# KiCad board sample018-programmable-led-panel.kicad_pcb (continued)
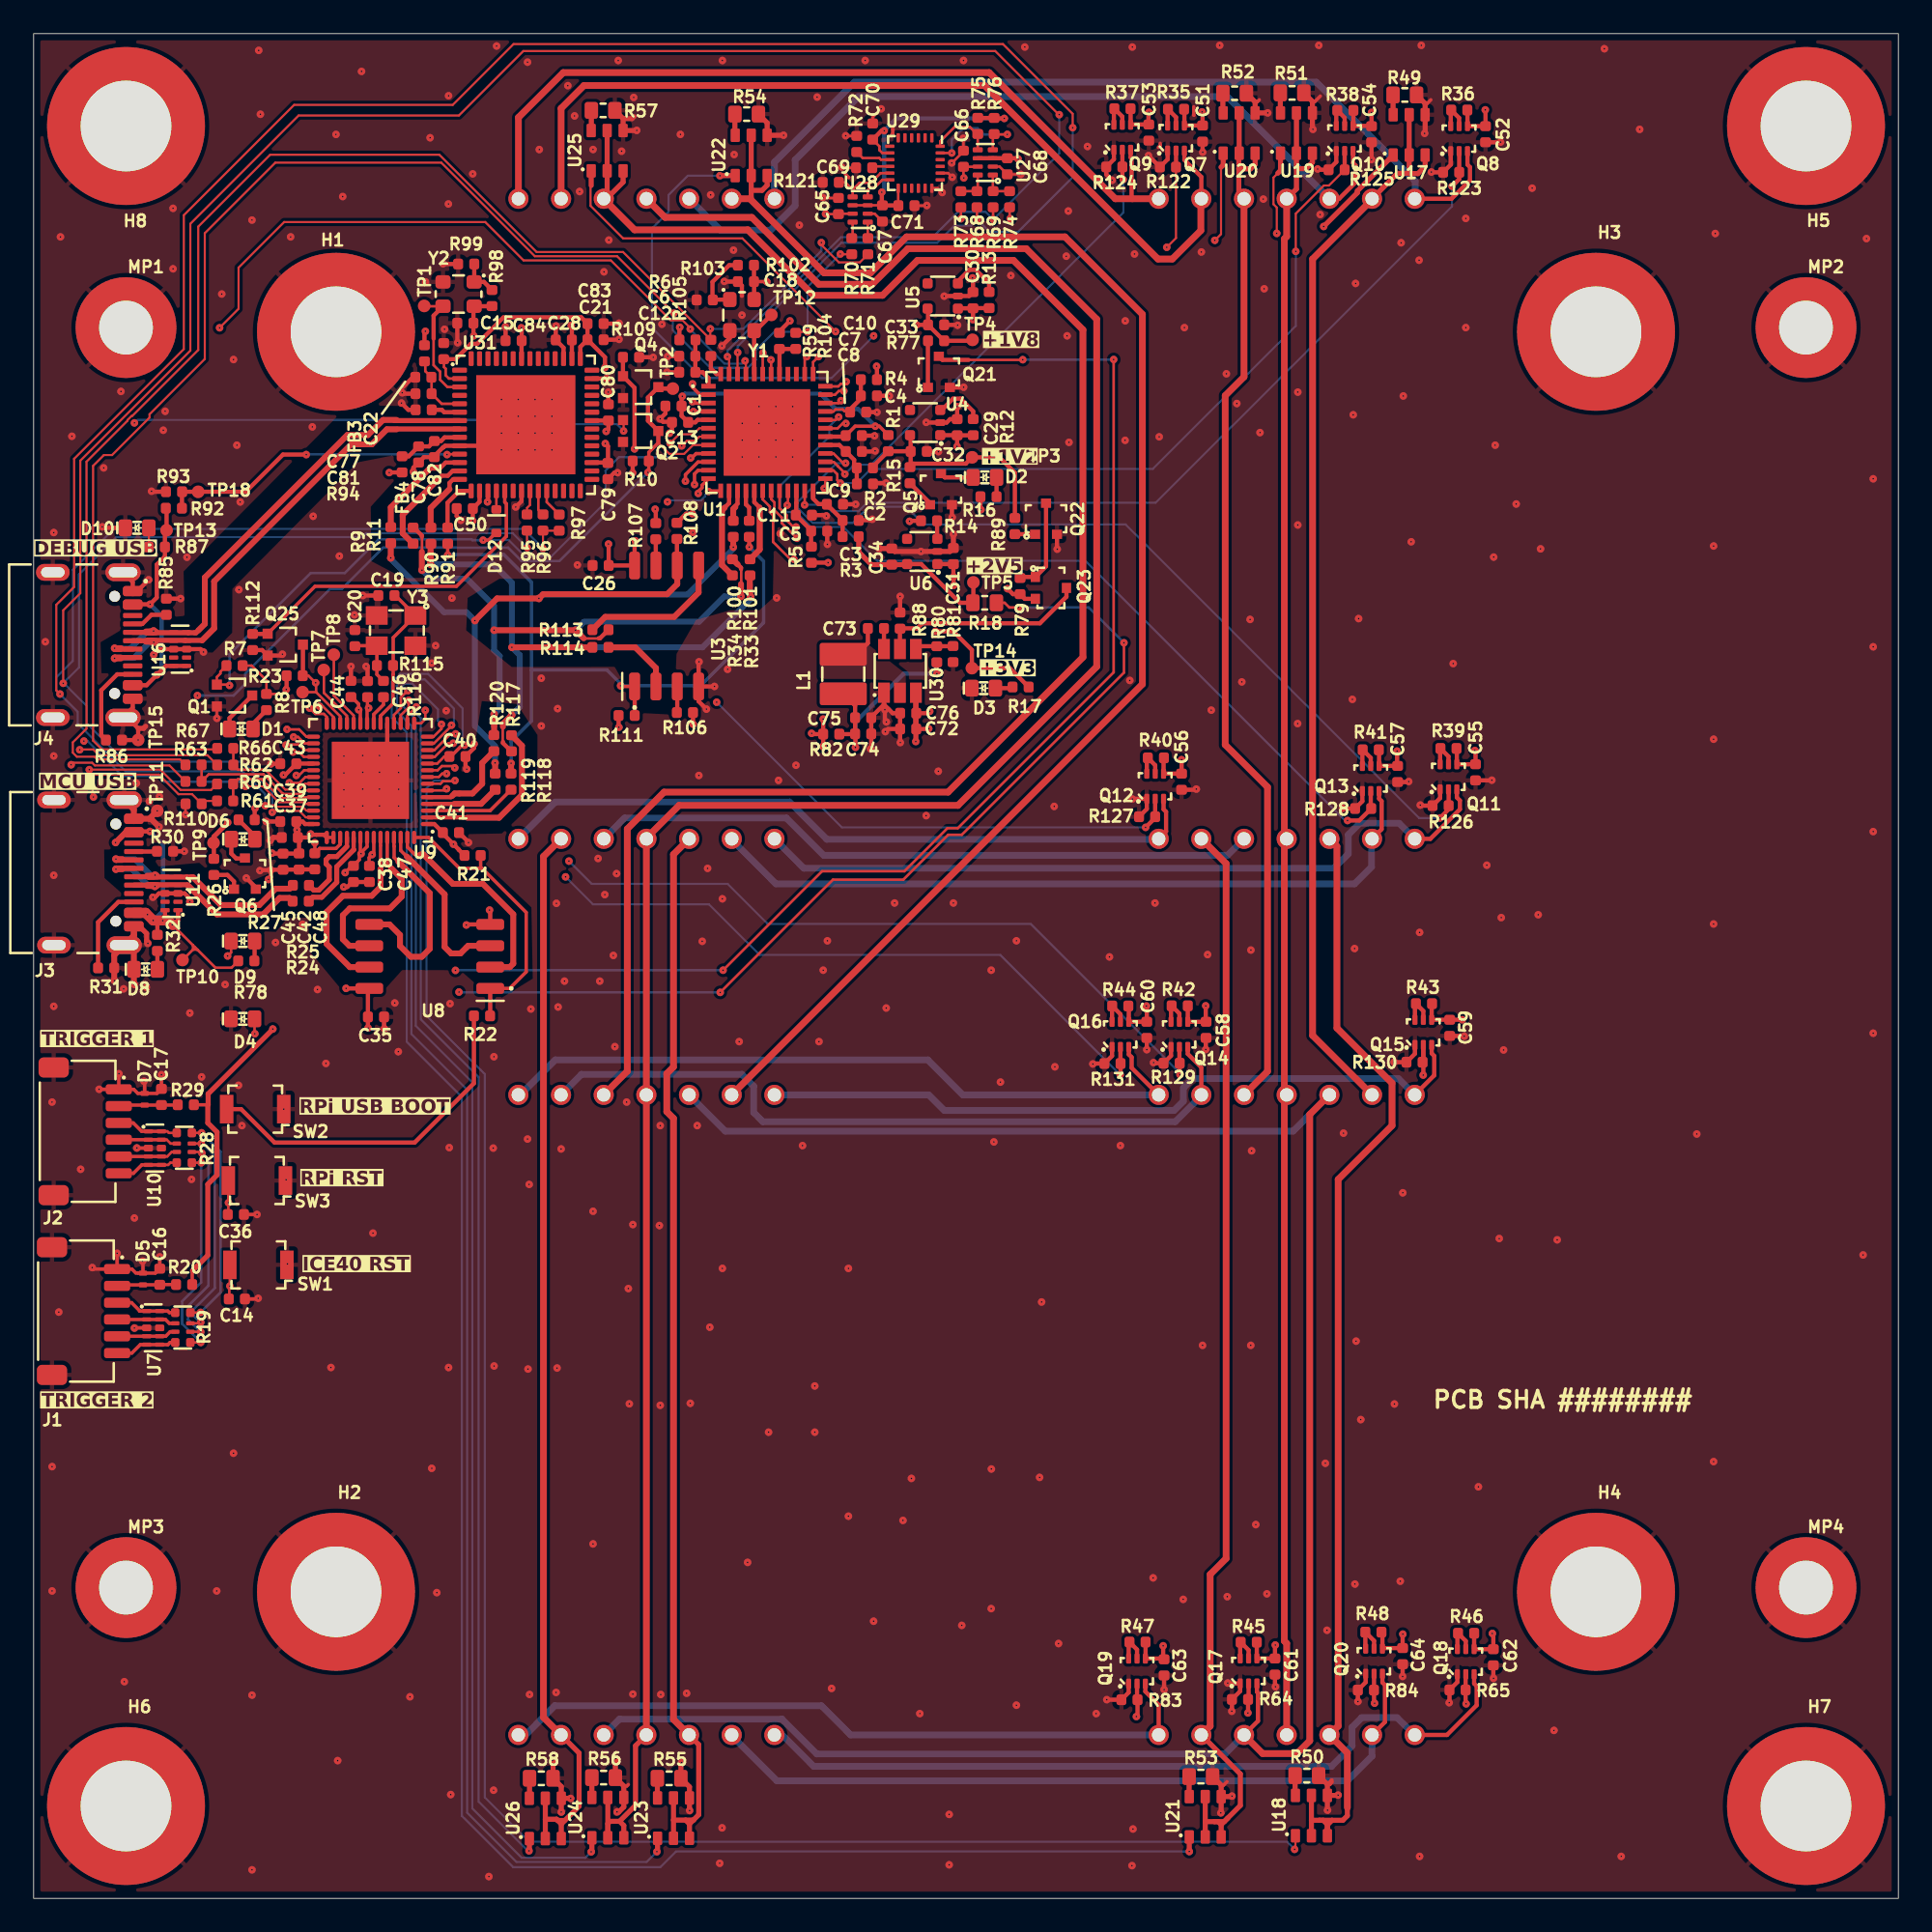
[diagram p0: board, top side]
## Nets
+1V1: C44.2 C47.2 C48.2 R26.2 TP9.1 U9.23 U9.45 U9.50
+1V2: C32.2 R1.1 R2.1 R15.2 R89.2 TP3.1 U4.5
+1V8: C33.2 C67.2 C68.2 C70.2 C71.2 R75.1 R76.1 R77.2 TP4.1 U5.5 U27.3 U27.6 U28.3 U28.6 U29.8 U29.13
+2V5: C34.2 R3.1 R18.2 TP5.1 U6.5
+3V3: C15.2 C18.2 C26.2 C28.1 C35.2 C37.2 C38.2 C39.2 C40.2 C41.2 C42.2 C43.2 C45.2 C46.2 C50.1 C65.2 C66.2 C80.1 C84.1 FB3.1 FB4.1 R4.1 R5.1 R6.1 R7.2 R8.2 R10.2 R14.2 R17.2 R20.2 R21.1 R23.1 R27.2 R29.2 R59.2 R73.1 R74.1 R82.2 R98.2 R102.2 R106.2 R107.2 R108.2 R111.2 TP14.1 U3.8 U8.8 U9.1 U9.10 U9.22 U9.33 U9.42 U9.43 U9.44 U9.48 U9.49 U27.7 U28.7 U31.16 U31.36 U31.44 U31.50 Y1.4 Y2.4
/FPGA/VCC_FPGA: C1.2 C7.2 C13.2 R1.2 U1.5 U1.30
/FPGA/VCC_PLL: C2.2 C8.2 R2.2 U1.29
/FPGA/VCCIO_0: C4.2 C10.2 R4.2 U1.33
/FPGA/VCCIO_1: C5.2 C11.2 R5.2 U1.22
/FPGA/VCCIO_2: C6.2 C12.2 R6.2 U1.1
/Supply/1V2_EN: R12.1 U4.3
/Supply/1V8_EN: R13.1 U5.3
/Supply/2V5_EN: R14.1 U6.3
/Supply/3V3_EN: Q23.3 R88.1 U30.5
/Trigger Connector 1/3V3_TRIG: C16.2 D5.1 J1.2 R20.1
/Trigger Connector 2/3V3_TRIG: C17.2 D7.1 J2.2 R29.1
/USB_FTDI/VBUS_DBG: J4.A4 J4.A9 J4.B4 J4.B9 R87.1 R92.2 TP13.1 U16.1 U16.10
GND: C1.1 C2.1 C3.1 C4.1 C5.1 C6.1 C7.1 C8.1 C9.1 C10.1 C11.1 C12.1 C13.1 C14.1 C15.1 C16.1 C17.1 C18.1 C19.1 C20.1 C21.2 C22.2 C26.1 C28.2 C29.1 C30.1 C31.1 C32.1 C33.1 C34.1 C35.1 C36.2 C37.1 C38.1 C39.1 C40.1 C41.1 C42.1 C43.1 C44.1 C45.1 C46.1 C47.1 C48.1 C50.2 C51.1 C52.1 C53.1 C54.1 C55.1 C56.1 C57.1 C58.1 C59.1 C60.1 C61.1 C62.1 C63.1 C64.1 C65.1 C66.1 C67.1 C68.1 C69.1 C70.1 C71.1 C72.1 C74.1 C75.1 C76.1 C77.2 C78.1 C79.2 C80.2 C81.2 C82.1 C83.2 C84.2 D3.1 D4.1 D5.2 D7.2 D8.1 D10.1 H1.1 H2.1 H3.1 H4.1 H5.1 H6.1 H7.1 H8.1 J1.1 J1.MP J2.1 J2.MP J3.A1 J3.A12 J3.B1 J3.B12 J3.SH J4.A1 J4.A12 J4.B1 J4.B12 J4.SH MP1.1 MP2.1 MP3.1 MP4.1 Q1.2 Q2.2 Q4.2 Q5.2 Q6.2 Q7.1 Q8.1 Q9.1 Q10.1 Q11.1 Q12.1 Q13.1 Q14.1 Q15.1 Q16.1 Q17.1 Q18.1 Q19.1 Q20.1 Q21.2 Q22.2 Q25.2 R30.2 R31.2 R49.1 R50.1 R51.1 R52.1 R53.1 R54.1 R55.1 R56.1 R57.1 R58.1 R64.1 R65.1 R72.2 R81.1 R83.1 R84.1 R85.2 R86.2 R88.2 R93.1 R94.2 R99.1 R103.1 R109.1 R110.1 R112.1 R121.1 R122.1 R123.1 R124.1 R125.1 R126.1 R127.1 R128.1 R129.1 R130.1 R131.1 SW1.1 SW2.1 SW3.1 TP11.1 TP15.1 U1.49 U3.4 U4.2 U5.2 U6.2 U7.3 U7.8 U8.4 U9.19 U9.57 U10.3 U10.8 U11.3 U11.8 U16.3 U16.8 U17.4 U18.4 U19.4 U20.4 U21.4 U22.4 U23.4 U24.4 U25.4 U26.4 U27.2 U28.2 U29.18 U29.20 U30.1 U31.10 U31.21 U31.41 U31.45 U31.57 Y1.2 Y2.2 Y3.2 Y3.4
VBUS: C29.2 C30.2 C31.2 C51.2 C52.2 C53.2 C54.2 C55.2 C56.2 C57.2 C58.2 C59.2 C60.2 C61.2 C62.2 C63.2 C64.2 C72.2 C76.2 J3.A4 J3.A9 J3.B4 J3.B9 Q7.4 Q8.4 Q9.4 Q10.4 Q11.4 Q12.4 Q13.4 Q14.4 Q15.4 Q16.4 Q17.4 Q18.4 Q19.4 Q20.4 Q23.2 R12.2 R13.2 R16.1 R32.1 R35.1 R36.1 R37.1 R38.1 R39.1 R40.1 R41.1 R42.1 R43.1 R44.1 R45.1 R46.1 R47.1 R48.1 R78.1 R79.1 TP10.1 U4.1 U5.1 U6.1 U11.1 U11.10 U30.3
/FPGA/12MHz: TP12.1 U1.44 Y1.3
/FPGA/ColumnCtrl1: U1.6 U9.6 U17.1
/FPGA/ColumnCtrl2: U1.9 U9.7 U18.1
/FPGA/ColumnCtrl3: U1.10 U9.8 U19.1
/FPGA/ColumnCtrl4: U1.11 U9.9 U20.1
/FPGA/ColumnCtrl5: U1.12 U9.11 U21.1
/FPGA/ColumnCtrl6: U1.21 U9.12 U22.1
/FPGA/ColumnCtrl7: U1.13 U9.13 U23.1
/FPGA/ColumnCtrl8: U1.20 U9.14 U24.1
/FPGA/ColumnCtrl9: U1.19 U9.15 U25.1
/FPGA/ColumnCtrl10: U1.18 U9.16 U26.1
/FPGA/FPGA_CDONE: D12.2 Q1.1 R7.1 U1.7
/FPGA/FPGA_SPI.CS: R91.2 R101.1 R111.1 R118.2 U3.1
/FPGA/FPGA_SPI.MISO: R34.1 R90.2 R114.1 R117.2
/FPGA/FPGA_SPI.MOSI: R11.2 R33.1 R113.1 R120.2
/FPGA/FPGA_SPI.SCK: R9.2 R100.1 R108.1 R119.2 U3.6
/FPGA/IMU.FSYNC: R66.1 R70.1 R104.1
/FPGA/IMU.INT: R67.1 R71.1 R105.1
/FPGA/IMU.SCL: R69.1 R95.2 U1.47 U9.41
/FPGA/IMU.SDA: R68.1 R96.2 R97.2 U1.46 U9.40
/FPGA/RowCtrl1: Q7.2 R122.2 U1.25
/FPGA/RowCtrl2: Q8.2 R123.2 U1.23
/FPGA/RowCtrl3: Q9.2 R124.2 U1.27 U9.17
/FPGA/RowCtrl4: Q10.2 R125.2 U1.26 U9.18
/FPGA/RowCtrl5: Q11.2 R126.2 U1.28 U9.27
/FPGA/RowCtrl6: Q12.2 R127.2 U1.31 U9.28
/FPGA/RowCtrl7: Q13.2 R128.2 U1.32 U9.29
/FPGA/RowCtrl8: Q14.2 R129.2 U1.34 U9.30
/FPGA/RowCtrl9: Q15.2 R130.2 U1.37 U9.31
/FPGA/RowCtrl10: Q16.2 R131.2 U1.35 U9.32
/FPGA/RowCtrl11: Q17.2 R64.2 U1.36 U9.34
/FPGA/RowCtrl12: Q18.2 R65.2 U1.43 U9.35
/FPGA/RowCtrl13: Q19.2 R83.2 U1.38
/FPGA/RowCtrl14: Q20.2 R84.2 U1.42
/FPGA/Trig.CAM: R19.8 R28.8 R60.2 U1.45
/FPGA/Trig.EXT1: R19.6 R28.6 R62.2 U1.4
/FPGA/Trig.EXT2: R19.5 R28.5 R63.2 U1.3
/FPGA/Trig.LED: R19.7 R28.7 U1.2 U9.39
/FPGA/VPP_2V5: C3.2 C9.2 R3.2 U1.24
/FPGA/~{FPGA_RESET}: C14.2 Q2.3 Q4.3 R10.1 SW1.2 TP2.1 U1.8
/IMU/ICM_AD0: R72.1 U29.9
/IMU/ICM_FSYNC_1V8: R121.2 U28.5 U29.11
/IMU/ICM_FSYNC_R: R70.2 U28.8
/IMU/ICM_INT1_1V8: U28.4 U29.12
/IMU/ICM_INT1_R: R71.2 U28.1
/IMU/ICM_SCL: R69.2 R74.2 U27.1
/IMU/ICM_SCL_1V8: R76.2 U27.4 U29.23
/IMU/ICM_SDA: R68.2 R73.2 U27.8
/IMU/ICM_SDA_1V8: R75.2 U27.5 U29.24
/IMU/REGOUT: C69.2 U29.10
/LED Matrix/ColumnDrive1: U12.13 U13.13 U17.2 U17.3 U17.5
/LED Matrix/ColumnDrive2: U12.3 U13.3 U18.2 U18.3 U18.5
/LED Matrix/ColumnDrive3: U12.4 U12.11 U13.4 U13.11 U19.2 U19.3 U19.5
/LED Matrix/ColumnDrive4: U12.10 U13.10 U20.2 U20.3 U20.5
/LED Matrix/ColumnDrive5: U12.6 U13.6 U21.2 U21.3 U21.5
/LED Matrix/ColumnDrive6: U14.13 U15.13 U22.2 U22.3 U22.5
/LED Matrix/ColumnDrive7: U14.3 U15.3 U23.2 U23.3 U23.5
/LED Matrix/ColumnDrive8: U14.4 U14.11 U15.4 U15.11 U24.2 U24.3 U24.5
/LED Matrix/ColumnDrive9: U14.10 U15.10 U25.2 U25.3 U25.5
/LED Matrix/ColumnDrive10: U14.6 U15.6 U26.2 U26.3 U26.5
/LED Matrix/RowDrive1: Q7.3 U12.9 U14.9
/LED Matrix/RowDrive2: Q8.3 U12.14 U14.14
/LED Matrix/RowDrive3: Q9.3 U12.8 U14.8
/LED Matrix/RowDrive4: Q10.3 U12.5 U12.12 U14.5 U14.12
/LED Matrix/RowDrive5: Q11.3 U12.1 U14.1
/LED Matrix/RowDrive6: Q12.3 U12.7 U14.7
/LED Matrix/RowDrive7: Q13.3 U12.2 U14.2
/LED Matrix/RowDrive8: Q14.3 U13.9 U15.9
/LED Matrix/RowDrive9: Q15.3 U13.14 U15.14
/LED Matrix/RowDrive10: Q16.3 U13.8 U15.8
/LED Matrix/RowDrive11: Q17.3 U13.5 U13.12 U15.5 U15.12
/LED Matrix/RowDrive12: Q18.3 U13.1 U15.1
/LED Matrix/RowDrive13: Q19.3 U13.7 U15.7
/LED Matrix/RowDrive14: Q20.3 U13.2 U15.2
/MCU/BOOTSEL: R22.1 SW2.2
/MCU/GPIO24: R62.1 R66.2 U9.36
/MCU/GPIO25: R63.1 R67.2 U9.37
/MCU/GPIO26: R60.1 R61.2 U9.38
/MCU/MCU_RST: C36.1 Q25.3 R23.2 SW3.2 TP6.1 U9.26
/MCU/QSPI_CSn: R21.2 R22.2 U8.1 U9.56
/MCU/QSPI_SCLK: U8.6 U9.52
/MCU/QSPI_SD0: U8.5 U9.53
/MCU/QSPI_SD1: U8.2 U9.55
/MCU/QSPI_SD2: U8.3 U9.54
/MCU/QSPI_SD3: U8.7 U9.51
/MCU/SWCLK: TP8.1 U9.24
/MCU/SWDIO: TP7.1 U9.25
/MCU/USB.D+: J3.A6 J3.B6 R24.1 U11.4 U11.7
/MCU/USB.D-: J3.A7 J3.B7 R25.1 U11.5 U11.6
/MCU/USB_D+: R24.2 U9.47
/MCU/USB_D-: R25.2 U9.46
/MCU/XIN: C19.2 R115.1 U9.20 Y3.1
/MCU/XOUT: R116.2 U9.21
/MCU/XOUT_R: C20.2 R115.2 R116.1 Y3.3
/Supply/FB_3V3: R80.1 R81.2 U30.4
/Supply/OUT_3V3: C74.2 C75.2 L1.2 R80.2 R82.1
/Supply/SW_3V3: C73.2 L1.1 U30.2
/Trigger Connector 1/CAM_TRIG: J1.3 R19.1 U7.1 U7.10
/Trigger Connector 1/EXT_TRIG1: J1.5 R19.3 U7.4 U7.7
/Trigger Connector 1/EXT_TRIG2: J1.6 R19.4 U7.5 U7.6
/Trigger Connector 1/LED_TRIG: J1.4 R19.2 U7.2 U7.9
/Trigger Connector 2/CAM_TRIG: J2.3 R28.1 U10.1 U10.10
/Trigger Connector 2/EXT_TRIG1: J2.5 R28.3 U10.4 U10.7
/Trigger Connector 2/EXT_TRIG2: J2.6 R28.4 U10.5 U10.6
/Trigger Connector 2/LED_TRIG: J2.4 R28.2 U10.2 U10.9
/USB/CC_{1}: J3.A5 R30.1
/USB/CC_{2}: J3.B5 R31.1
/USB_FTDI/ADBUS0: R9.1 U31.12
/USB_FTDI/ADBUS1: R11.1 U31.13
/USB_FTDI/ADBUS2: R90.1 U31.14
/USB_FTDI/ADBUS3: R91.1 U31.15
/USB_FTDI/ADBUS4: Q4.1 R109.2 U31.17
/USB_FTDI/ADBUS5: D12.1 U31.18
/USB_FTDI/ADBUS6: Q25.1 R112.2 U31.19
/USB_FTDI/BDBUS0: R95.1 U31.22
/USB_FTDI/BDBUS1: R96.1 U31.23
/USB_FTDI/BDBUS2: R97.1 U31.24
/USB_FTDI/CC_{1}: J4.A5 R85.1
/USB_FTDI/CC_{2}: J4.B5 R86.1
/USB_FTDI/FTDI_D_N: J4.A7 J4.B7 U16.5 U16.6 U31.7
/USB_FTDI/FTDI_D_P: J4.A6 J4.B6 U16.4 U16.7 U31.8
/USB_FTDI/OSCI: TP1.1 U31.3 Y2.3
/USB_FTDI/VPHY: C77.1 C81.1 FB3.2 U31.5
/USB_FTDI/VPLL: C78.2 C82.2 FB4.2 U31.9
/USB_FTDI/VREGOUT: C21.1 C22.1 C79.1 C83.1 U31.2 U31.31 U31.43
/USB_FTDI/~{FT_RST}: R92.1 R93.2 TP18.1 U31.11
Net-(D1-A): D1.2 R8.1
Net-(D1-C): D1.1 Q1.3
Net-(D2-A): D2.2 R16.2
Net-(D2-C): D2.1 Q5.3
Net-(D3-A): D3.2 R17.1
Net-(D4-A): D4.2 R18.1
Net-(D6-A): D6.2 R27.1
Net-(D6-C): D6.1 Q6.3
Net-(D8-A): D8.2 R32.2
Net-(D9-A): D9.2 R78.2
Net-(D9-C): D9.1 Q21.3
Net-(D10-A): D10.2 R87.2
Net-(Q2-G): Q2.1 R61.1 R110.2
Net-(Q5-B): Q5.1 R15.1
Net-(Q6-B): Q6.1 R26.1
Net-(Q7-D1): Q7.5 Q7.6 R35.2
Net-(Q8-D1): Q8.5 Q8.6 R36.2
Net-(Q9-D1): Q9.5 Q9.6 R37.2
Net-(Q10-D1): Q10.5 Q10.6 R38.2
Net-(Q11-D1): Q11.5 Q11.6 R39.2
Net-(Q12-D1): Q12.5 Q12.6 R40.2
Net-(Q13-D1): Q13.5 Q13.6 R41.2
Net-(Q14-D1): Q14.5 Q14.6 R42.2
Net-(Q15-D1): Q15.5 Q15.6 R43.2
Net-(Q16-D1): Q16.5 Q16.6 R44.2
Net-(Q17-D1): Q17.5 Q17.6 R45.2
Net-(Q18-D1): Q18.5 Q18.6 R46.2
Net-(Q19-D1): Q19.5 Q19.6 R47.2
Net-(Q20-D1): Q20.5 Q20.6 R48.2
Net-(Q21-B): Q21.1 R77.1
Net-(Q22-B): Q22.1 R89.1
Net-(Q22-C): Q22.3 Q23.1 R79.2
Net-(U1-IOB_4A): R105.2 U1.48
Net-(U1-IOB_32A_SPI_SO): R33.2 U1.14
Net-(U1-IOB_33B_SPI_SI): R34.2 U1.17
Net-(U1-IOB_34A_SPI_SCK): R100.2 U1.15
Net-(U1-IOB_35B_SPI_SS): R101.2 U1.16
Net-(U1-RGB2): R59.1 R104.2 U1.41
Net-(U3-SI/IO0): R113.2 U3.5
Net-(U3-SO/IO1): R114.2 U3.2
Net-(U3-~{HOLD}/IO3): R107.1 U3.7
Net-(U3-~{WP}/IO2): R106.1 U3.3
Net-(U9-GPIO0): R117.1 U9.2
Net-(U9-GPIO1): R118.1 U9.3
Net-(U9-GPIO2): R119.1 U9.4
Net-(U9-GPIO3): R120.1 U9.5
Net-(U17-R_{EXT}): R49.2 U17.6
Net-(U18-R_{EXT}): R50.2 U18.6
Net-(U19-R_{EXT}): R51.2 U19.6
Net-(U20-R_{EXT}): R52.2 U20.6
Net-(U21-R_{EXT}): R53.2 U21.6
Net-(U22-R_{EXT}): R54.2 U22.6
Net-(U23-R_{EXT}): R55.2 U23.6
Net-(U24-R_{EXT}): R56.2 U24.6
Net-(U25-R_{EXT}): R57.2 U25.6
Net-(U26-R_{EXT}): R58.2 U26.6
Net-(U30-BST): C73.1 U30.6
Net-(U31-REF): R94.1 U31.6
Net-(Y1-EN): R102.1 R103.2 Y1.1
Net-(Y2-EN): R98.1 R99.2 Y2.1

Pads without a net: J3 A8 B8; J4 A8 B8; U1 39 40; U4 4; U5 4; U6 4; U11 2 9; U16 2 9; U29 1 2 3 4 5 6 7 14 15 16 17 19 21 22; U31 1 4 20 25 26 27 28 29 30 32 33 34 35 37 38 39 40 42 46 47 48 49 51 52 53 54 55 56

## Via types
v1: diameter 0.45, hole 0.1, Top to Bottom, 741 vias

## Routing (per net, layer and track width the routed paths; a pad name or vN(x,y) marks a point on that pad's centre or on a via; arc(x,y) is an arc through that point)
+1V1: length 10.4
  Top w0.2: 19.97,61.48 19.97,61.95 v1(20.15,62.13) 20.25,62.23 U9.50 ; v1(16.74,62.84) C48.2 17.03,62.5 18,62.5 18.25,62.74 U9.45 ; U9.23 19.45,70.65 v1(19.35,70.75) 19.35,71.09 18.93,71.51
  Top w0.25: R26.2 10.73,63.22 v1(11.56,64.05) 11.56,64 10.71,63.15 TP9.1
+1V2: length 14
  Top w0.25: 52.21,85.24 C32.2 52.21,87.06 ; 52.19,86.14 R1.1 49.96,85.23 ; R89.2 58.41,84.86 57.49,85.78 TP3.1 55.49,85.4 52.37,85.4 R15.2
+1V8: length 26.6
  Top w0.15: 50.97,103.9 50.51,103.9 50.34,104.06 50.34,104.29 C70.2 ; U29.13 51.47,100.77 ; U28.6 U28.3 50.52,100.78
  Top w0.25: v1(52.56,93.66) 52.56,93.66 C33.2 ; U27.6 U27.3 C68.2 58.56,103.58 v1(58.6,103.54) ; 50.53,100.78 51.46,100.78 ; R76.1 56.21,105.98 ; v1(50.63,105.22) 50.47,105.22 C70.2 ; C33.2 53.24,94.61 ; C33.2 54.19,92.72 ; v1(57.78,105.95) 57.2,105.95 ; v1(50.49,101.56) 50.49,100.81 ; 55.83,92.72 R77.2
  In2.Cu w0.25: 58.62,103.56 v1(58.6,103.54)
  Bottom w0.25: v1(50.49,101.56) 50.63,101.7 v1(50.63,105.22) 51.36,105.95 v1(57.78,105.95)
+2V5: length 10.2
  Top w0.25: TP5.1 55.94,77.15 ; U6.5 52.83,79.42 55.14,77.12 R18.2
  Top w0.3: 49.12,81.09 49.12,80.15 49.87,79.39 C34.2 51.96,79.39
+3V3: length 88.8
  Top w0.15: C40.2 24.45,67.97 24.03,67.55 U9.10 ; v1(58.13,99.99) 58.09,100.03 R74.1 ; 56.19,103.07 C66.2 55.35,102.43 v1(55.37,102.41) ; v1(15.04,71.96) 14.77,71.69 R8.2 13.86,72.5 12.98,73.38 R7.2 ; 55.2,100.66 v1(55.2,99.98) ; C65.2 47.16,100.25 v1(47.14,100.27) ; U28.7 47.93,100.28
  Top w0.2: 24.83,67.97 25.5,68.64 v1(25.65,68.64) ; U9.44 U9.43 ; 19.45,62.21 19.39,62.15 19.39,61.83 19.02,61.46 ; 19.45,62.21 19.85,62.61 U9.49 ; 19.45,62.21 U9.48 ; C18.2 43.63,96.24 v1(43.65,96.22) ; R29.2 10.38,47.24 10.39,47.25 ; v1(18.54,61.06) 18.94,61.46 ; 19.87,71.49 19.87,70.93 v1(19.94,70.86) 19.85,70.77 U9.22 ; 9.46,37.37 9.44,37.35 R20.2
  Top w0.25: v1(26.2,93.01) 26.18,93.03 C15.2 26.18,94.73 ; v1(26.14,82) 26.14,82 C50.1 26.54,83.13 U31.16 ; v1(34.84,69.71) 34.82,69.73 34.82,70.57 ; Y1.4 42.89,96.23 ; R10.2 v1(35.66,84.85) ; v1(38.46,93.52) 38.44,93.5 R6.1 ; U9.33 15.65,67.55 ; U9.1 23.85,63.95 C41.2 ; C18.2 R102.2 ; v1(39.21,82.42) 38.84,82.42 R108.2 ; 24.36,63.38 25.31,62.43 25.31,62.42 R21.1 ; U9.43 17.28,63.31 16.51,63.31 16.34,63.15 C37.2 15.73,63.56 15.64,63.65 C39.2 16.01,64.1 16.16,63.95 U9.42 ; C84.1 29.05,93.47 v1(29.03,93.49) ; v1(46.31,69.35) 46.36,69.3 R82.2 ; 19.39,62.15 19.43,62.18 v1(19.49,62.18) ; 44.4,93.28 v1(45.02,93.9) ; v1(46.98,68.57) 47,68.59 R82.2 ; v1(15.04,71.96) 15.06,71.98 R23.1 ; v1(13.18,64.89) 13.16,64.87 R27.2 ; 32.04,91.66 C28.1 32.04,93.59 v1(32,93.63) ; R17.2 58.11,73.23 TP14.1 55.85,74.31 54.74,75.42 v1(53.68,75.42) ; v1(34.22,80.62) 34.23,80.61 C26.2 U3.8 35.78,80.76 v1(35.82,80.81) ; C42.2 15.8,63.08 ; U31.50 29.04,92.71 ; R4.1 50.2,91.18 v1(50.18,91.2) ; FB3.1 23.26,93.22 v1(23.32,93.28) ; R106.2 39.25,69.9 v1(39.26,69.89) ; U31.36 34.21,87.97 ; C80.1 34.22,87.46 v1(34.08,87.32) ; U8.8 18.6,54.16 v1(18.6,54.17) ; R82.2 v1(47,70.2) ; R14.2 52.17,82 v1(52.14,81.97) ; v1(37,82.69) 37.03,82.66 R107.2 ; v1(21.17,84.87) 21.18,84.88 FB4.1 ; C43.2 14.97,66.87 v1(14.87,66.87) ; v1(19.91,51.81) 19.9,51.82 C35.2 19.9,54.09 ; Y2.4 27.12,94.77 ; v1(47.29,79.51) 46.31,79.51 ; v1(14.19,62.22) 14.22,62.19 C45.2 15.79,62.19
  Top w0.3: v1(14.24,51.75) 14.24,51.74 10.39,47.89 10.39,47.25 10.37,47.23 10.37,46.16 10.92,45.61 10.92,43.06 10.37,42.51 10.37,38.28 9.46,37.37
  vias: v1(15.68,63.6) v1(16.49,63.36) v1(24.99,62.75)
/FPGA/VCC_FPGA: length 19.5
  Top w0.2: C7.2 48.9,87.63 v1(50.1,87.63) 50.34,87.63 R1.2
  Top w0.25: U1.30 48.28,87.01 ; v1(38.61,89.41) 38.57,89.37 C1.2 38.57,88.25 C13.2 39.38,87.86 39.53,88.01 U1.5
  Bottom w0.25: v1(50.1,87.63) 49.08,88.65 47.75,88.65 46.83,89.57 38.77,89.57 v1(38.61,89.41)
/FPGA/VCC_PLL: length 3.3
  Top w0.25: U1.29 47.96,86.51 C8.2 48.84,85.63 48.84,85.31 ; R2.2 49,84.21
/FPGA/VCCIO_0: length 3.4
  Top w0.15: 48.54,88.53 48.26,88.53 48.16,88.63 47.73,88.63 47.61,88.5 47.12,88.5
  Top w0.25: 49.24,89.27 48.6,88.63 ; C4.2 R4.2
/FPGA/VCCIO_1: length 3.7
  Top w0.25: 45.39,82.36 45.39,83.05 45.4,83.06 45.4,83.78 ; 46.28,80.44 C5.2 ; 46.28,81.43 C11.2
/FPGA/VCCIO_2: length 3.3
  Top w0.25: 39.39,92.76 C6.2 C12.2 39.83,90.84 40.18,90.5 U1.1
/Supply/1V2_EN: length 2.9
  Top w0.25: R12.1 55.93,88.51 55.17,89.27 54.73,89.27 54.06,88.6
/Supply/1V8_EN: length 3
  Top w0.25: R13.1 56.88,96.15 56.09,96.94 55.69,96.94 55.02,96.26
/Supply/2V5_EN: length 1.1
  Top w0.25: R14.1 53.78,80.94
/Supply/3V3_EN: length 12.4
  Top w0.25: Q23.3 61.48,77.48 59.9,75.9 52.9,75.9 52.6,75.6 51.59,75.6 R88.1 ; U30.5 51.57,75.57
/Trigger Connector 1/3V3_TRIG: length 3.4
  Top w0.2: C16.2 6.52,36.53 ; D5.1 5.03,36.52 ; R20.1 7.53,36.54
/Trigger Connector 2/3V3_TRIG: length 3.4
  Top w0.2: 7.6,47.22 D7.1 5.13,47.22 ; 7.61,47.22 8.56,47.22
/USB_FTDI/VBUS_DBG: length 15.2
  Top w0.25: TP13.1 7.91,82.71 ; J4.A9 6.72,72.21 7.87,73.36 U16.10 U16.1 ; 5.92,77.03 v1(6.93,77.03) 7.33,77.43 7.33,79.39 7.82,79.88 R87.1 7.82,81.34
  Bottom w0.25: v1(7.34,72.83) 7.62,73.12 7.62,76.34 v1(6.93,77.03)
GND: length 213.7
  Top w0.125: v1(9.04,64.51) 9.04,65.34
  Top w0.15: C67.1 50.06,100.28 U28.2 ; v1(55.34,104.77) 55.35,104.76 C66.1 ; U29.20 54.44,102.69 v1(54.68,102.45) ; v1(48.34,104.92) 48.35,104.91 R72.2 ; U29.18 53.82,101.79 v1(54.08,101.54) ; C70.1 49.94,106.01 v1(50.45,106.52) ; v1(54.65,103.3) 54.66,103.3 55.35,103.99 ; C65.1 47,101.22 v1(46.98,101.24) ; v1(10.91,70.24) 10.91,70.24 10.91,70.95 ; C71.1 53.16,100.76 v1(53.17,100.77) ; U27.2 57.5,103.08 C68.1 58.76,102.62 v1(58.76,102.62) ; C69.1 48.15,103.01 v1(48.1,103.06)
  Top w0.2: 69.07,106.14 69.06,106.15 69.06,106.64 ; 70.69,6.74 70.83,6.74 71.04,6.95 ; 82.83,106.84 82.95,106.84 83.17,107.06 ; 6.61,47.92 6.2,47.92 5.96,48.16 J2.1 ; 6.61,47.92 6.61,48.6 v1(6.57,48.64) ; 6.61,47.92 7.34,47.92 C17.1 v1(7.61,49.03) ; 67.06,104.47 67.06,104.34 66.95,104.23 ; 51.16,105.31 51.14,105.29 51.14,105.03 51.02,104.91 ; 72.96,107.06 72.83,106.93 72.71,106.93 ; 77.3,6.92 77.17,6.79 77.01,6.79 77.26,7.04 77.29,7.04 ; v1(5.08,49.09) 5.07,49.08 J2.1 ; 76.59,107.28 76.27,106.96 76.12,106.96 ; D5.2 7.24,37.22 C16.1 v1(7.51,38.19) ; D5.2 6.51,37.91 v1(6.49,37.93) ; D5.2 6.21,37.22 6.2,37.23 6.08,37.23 5.85,37.46 J1.1 ; v1(6.15,44.67) 6.16,44.66 U10.3 ; U7.3 6.01,33.96 v1(6,33.95) ; C14.1 13.33,35.68 v1(13.37,35.72) ; 48.52,102.44 48.51,102.44 48.31,102.64 ; C36.2 v1(13.3,40.71) ; J2.1 v1(3.9,48.16) ; J1.1 v1(4.97,38.4) ; J1.1 3.58,37.46 v1(3.49,37.55) ; 35.4,6.78 35.31,6.69 35.13,6.69
  Top w0.25: Q14.1 67.7,50.16 R129.1 66.69,49.72 v1(66.66,49.75) ; Q20.1 79.29,12.87 78.82,12.4 78.82,11.72 v1(78.83,11.72) ; Q8.1 84.35,103.2 R123.1 83.22,102.75 v1(83.2,102.76) ; v1(50.06,87.06) 50.04,87.07 C7.1 ; Q18.1 84.75,12.88 R65.1 84.28,11.67 v1(84.26,11.65) ; R93.1 7.05,83.73 v1(7.02,83.76) ; v1(14.13,67.53) 14.14,67.54 C43.1 ; v1(50.2,88.46) 50.19,88.47 C10.1 ; v1(25.43,82.03) 25.18,82.28 C50.2 ; v1(86.9,13.1) 86.89,13.11 86.89,13.87 ; R112.1 13.6,74.31 Q25.2 14.73,73.98 v1(14.81,74.06) ; C72.1 50.86,69.61 v1(50.7,69.45) ; C72.1 51.58,68.81 v1(51.59,68.8) ; C72.1 C76.1 51.14,70.55 50.62,71.07 ; v1(25.24,92.6) 25.22,92.62 C15.1 ; C21.2 34.83,92.78 v1(34.85,92.8) ; C13.1 38,87.36 v1(37.85,87.21) ; v1(28.08,93.55) 28.09,93.54 C84.2 ; D10.1 4.15,81.58 v1(4.09,81.64) ; v1(28.7,82.82) 29.04,83.16 U31.21 ; C5.1 47.24,80.61 v1(47.25,80.6) ; v1(36.88,91.73) 36.87,91.74 R109.1 ; v1(31.1,93.6) 31.08,93.58 C28.2 31.54,92.3 U31.45 ; v1(54.97,88.8) C29.1 54.55,88.05 54.35,87.85 U4.2 53.14,87.85 v1(53.13,87.86) ; C12.1 37.71,90.84 v1(37.7,90.85) ; C11.1 47.14,82.34 v1(47.19,82.29) ; C82.1 23.24,85.79 C78.1 22.6,85.16 v1(22.6,84.92) ; C41.1 25.89,62.87 v1(25.89,62.85) ; C59.1 85.14,51.34 v1(85.16,51.32) ; v1(24.37,97.3) 24.38,97.28 R99.1 ; Q22.2 60.91,80.32 v1(60.93,80.31) ; v1(66.26,50.52) 66.26,50.52 C60.1 ; 69.77,51.2 v1(69.77,50.53) ; C55.1 86.79,66.55 v1(86.8,66.56) ; v1(87.32,104.54) 87.31,104.53 C52.1 ; 23.85,85.86 24.37,86.38 24.41,86.38 24.5,86.47 U31.10 28.05,86.47 ; 64.3,104.08 64.3,103.52 R124.1 63.85,102.62 v1(64.2,102.27) ; C47.1 C38.1 ; J4.A12 5.9,70.87 J4.SH ; U3.4 40.53,72.14 v1(40.53,72.14) ; U3.4 39.58,71.26 v1(40.05,70.79) ; U3.4 39.58,73.58 v1(39.61,73.61) ; 19.14,76.36 v1(19.1,76.4) ; C42.1 14.86,61.24 ; Q16.1 64.19,50.15 R131.1 63.07,49.69 v1(63.05,49.67) ; R86.2 6.22,68.95 ; Q11.1 83.72,65.5 R126.1 82.57,65.04 v1(82.54,65.08) ; C48.1 15.81,61.25 ; v1(50.76,70.03) 50.67,70.12 v1(50.67,70.76) 50.62,70.81 U30.1 50.62,71.07 ; R127.1 66.26,64.85 Q12.1 65.41,65.45 v1(65.4,65.44) ; R30.2 8.97,62.33 v1(8.97,62.33) ; 79.09,65.91 79.09,65.31 R128.1 77.93,64.88 v1(77.91,64.89) ; C61.1 73.89,12.63 v1(73.92,12.6) ; v1(53.86,86.11) 53.84,86.13 C32.1 ; v1(41.11,96.25) 41.12,96.24 C18.1 42.16,96 42.16,95.39 ; v1(25.78,67.22) 25.71,67.29 C40.1 26.22,68.48 v1(26.22,68.72) ; U31.41 34.12,90.47 v1(34.12,90.46) ; Q19.1 65.18,12.26 R83.1 63.88,11.82 v1(63.88,11.83) ; C63.1 v1(67.29,12.43) ; 13.23,60.17 v1(12.66,60.74) ; C35.1 20.86,51.79 v1(20.88,51.77) ; C6.1 37.76,91.8 v1(37.74,91.78) ; v1(10.11,74.19) 9.94,74.36 U16.3 U16.8 7.48,74.36 v1(7.15,74.03) ; v1(34.76,84.86) 34.56,84.86 C79.2 ; v1(55.36,89.95) 55.35,89.94 Q21.2 ; 67.04,103.06 v1(66.36,103.74) ; C51.1 69.58,103.95 v1(69.59,103.94) ; J4.SH 5.9,78.36 J4.A1 ; 49.86,70.31 50.62,71.07 ; v1(71.08,12.82) 71.11,12.79 Q17.1 71.82,12.34 R64.1 71.33,11.15 v1(71.32,11.14) ; C64.1 v1(81.49,13.21) ; v1(6.85,78.49) 6.17,77.81 ; v1(7.1,59.59) 7.23,59.59 7.46,59.82 U11.8 U11.3 8.99,59.82 9.3,59.51 v1(9.3,59.33) ; v1(18.46,60.21) 18.68,60.21 18.97,60.5 ; C57.1 81.82,66.45 v1(81.85,66.48) ; v1(13.85,64.1) C39.1 ; Q5.2 54.66,82.22 v1(54.68,82.2) ; 21.05,67.55 U9.19 ; C19.1 v1(19.6,77.55) ; v1(21.94,89.62) 22,89.56 C81.2 ; C46.1 19.88,73.24 v1(19.79,73.33) ; C4.1 50.93,89.44 v1(50.94,89.43) ; C83.2 34.82,93.74 v1(34.85,93.76) ; 50.01,84.25 v1(50.74,84.25) ; 49.12,82.04 49.87,82.04 v1(49.92,82.09) ; v1(49.82,68.42) 49.86,68.46 C74.1 C75.1 ; Q7.1 67.5,103.52 R122.1 ; v1(18.89,73.33) C44.1 ; 23.93,74.56 v1(23.93,74.57) ; v1(34.21,89.66) 34.22,89.66 C80.2 ; v1(54.2,95.37) 54.21,95.38 U5.2 55.69,95.38 C30.1 55.92,96.43 v1(55.89,96.46) ; R88.2 51.57,77.5 v1(51.58,77.5) ; 22.57,90.54 21.99,89.96 ; v1(80.99,49.78) 81,49.78 R130.1 82.22,50.28 82.22,50.8 ; v1(27.14,58.83) 27.18,58.79 U8.4 25.79,57.97 v1(25.76,57.94) ; C45.1 14.14,61.23 v1(14.12,61.21) ; R94.2 22.31,88.6 v1(21.9,89.01) ; C56.1 69.17,65.99 v1(69.21,66.03) ; 37.97,87.9 37.47,87.9 v1(37.29,88.07) 37.61,88.39 C1.1 ; v1(76.43,102.94) 76.47,102.9 R125.1 77.54,103.36 Q10.1 ; v1(14.12,61.21) 14.12,60.79 v1(13.98,60.65) ; v1(14.12,61.21) 13.5,61.21 v1(13.47,61.18) ; v1(6.22,68.96) 6.22,69.65 5.58,70.29 ; v1(48.94,82.99) 48.19,82.99 ; v1(8.75,77.37) 8.74,77.36 R85.2 ; v1(40.97,92.41) 41.44,92.88 Y1.2 ; v1(79.64,103.5) C54.1 ; v1(50.09,86.16) 50.06,86.12 C8.1 ; v1(55,93.64) 54.98,93.66 C33.1
  Top w0.3: v1(39.05,5.23) 39.04,5.24 U23.4 39.04,6.64 R55.1 38.53,8.04 v1(38.57,8.08) ; v1(30.89,8.21) 30.92,8.18 R58.1 31.41,6.66 U26.4 ; U21.4 70.69,6.74 R53.1 ; U21.4 70.69,5.11 v1(70.67,5.09) ; U21.4 71.3,6.06 v1(71.33,6.09) ; v1(35.9,105.24) 35.89,105.23 U25.4 35.09,105.94 ; v1(54.75,81.21) C31.1 54.54,80.17 U6.2 v1(52.82,80.17) 51.26,80.17 C34.1 v1(50.32,80.35) ; v1(76.15,105.3) 76.12,105.33 U19.4 76.12,106.96 R51.1 ; U26.4 31.96,5.96 v1(31.97,5.95) ; U26.4 v1(31.41,5.14) ; 6.67,69.77 6.55,69.65 6.22,69.65 ; U18.4 77.63,6.13 v1(77.65,6.15) ; U18.4 77.01,5.26 v1(77.02,5.25) ; U18.4 77.01,6.79 R50.1 ; R57.1 35.09,105.94 ; 35.09,105.94 35.62,105.94 35.74,106.06 ; v1(82.8,105.06) 82.83,105.09 U17.4 82.83,106.84 R49.1 ; v1(34.73,5.15) 34.84,5.15 35.13,5.44 U24.4 35.13,6.69 R56.1 34.63,8.31 v1(34.64,8.32) ; v1(6.8,56.85) 6.83,56.88 6.83,56.89 6.73,56.99 6.73,57.43 6.3,57.86 ; v1(73.46,106.28) U20.4 72.71,106.93 R52.1 ; R54.1 43.66,105.69 U22.4 44.64,104.95 v1(44.64,104.95) ; v1(14.08,62.97) 14.26,63.15 C37.1
  Top w0.35: v1(4.81,54.63) 4.8,54.64 R31.2 4.8,56.15 J3.SH 5.97,57.32 J3.A12 D8.1 5.97,54.43 v1(6,54.4) ; 6.89,64.26 6.99,64.26 v1(7.47,63.78) ; 6.89,64.26 J3.A1 5.97,64.81 J3.SH ; 6.89,64.26 v1(7.36,64.74)
  In3.Cu w0.2: 27.92,67.37 27.92,67.94 27.93,67.95
  vias: v1(0.7,74.8) v1(1.1,47.4) v1(1.1,25.7) v1(1.1,18.3) v1(1.2,81.3) v1(1.2,68) v1(1.2,60.9) v1(1.2,53.1) v1(1.5,34.9) v1(1.6,98.9) v1(2.28,87.03) v1(2.8,43.4) v1(4.17,85.15) v1(5.2,89.7) v1(5.36,54.14) v1(5.4,12.9) v1(6,40.5) v1(6.12,66.38) v1(6.71,54.23) v1(6.89,65.31) v1(7.49,65.59) v1(7.72,87.39) v1(7.83,88.52) v1(8.3,100.6) v1(8.3,97) v1(9.13,79.83) v1(9.3,52.7) v1(9.4,42.8) v1(10,48.9) v1(10.9,18.3) v1(11.2,95.5) v1(11.4,54.4) v1(11.9,91.6) v1(11.9,26.5) v1(12.1,86.5) v1(12.22,77.9) v1(12.2,48.4) v1(12.3,83.12) v1(12.4,46) v1(13,99.9) v1(13,12.1) v1(13,1.7) v1(13.4,110) v1(13.5,106.2) v1(14.4,56.9) v1(14.89,46.98) v1(15.03,42.78) v1(15.11,37.77) v1(15.3,98.9) v1(16.01,57.99) v1(16.59,87.59) v1(16.64,82.27) v1(16.9,54.1) v1(17.4,49.7) v1(17.7,31.6) v1(18,105) v1(18.1,8.2) v1(18.2,79.9) v1(18.4,101.3) v1(18.47,67.99) v1(18.47,66.99) v1(18.47,65.99) v1(18.47,64.99) v1(19.52,108.75) v1(19.59,68.03) v1(19.59,67.03) v1(19.59,66.03) v1(19.59,65.03) v1(20.2,39.6) v1(20.59,68.03) v1(20.59,67.03) v1(20.59,66.03) v1(20.59,65.03) v1(21.5,53.3) v1(21.73,68.02) v1(21.73,67.02) v1(21.73,66.02) v1(21.73,65.02) v1(21.71,50.4) v1(22.4,12) v1(23.33,96.22) v1(23.6,104.8) v1(23.7,73.53) v1(23.7,25.6) v1(24,18.2) v1(24.46,93.4) v1(24.56,70.7) v1(24.7,107.3) v1(24.69,100.86) v1(24.74,44.69) v1(24.7,31.6) v1(24.79,53.26) v1(24.83,6.18) v1(24.9,77.4) v1(26.14,102.65) v1(27.1,1.3) v1(27.4,50.1) v1(27.36,44.66) v1(27.41,31.69) v1(27.38,6.44) v1(27.56,110.26) v1(27.85,89.22) v1(27.85,88.22) v1(27.85,87.22) v1(27.85,86.22) v1(28.85,89.22) v1(28.85,88.22) v1(28.85,87.22) v1(28.85,86.22) v1(29.4,109.3) v1(29.4,45.2) v1(29.43,31.51) v1(29.5,42.5) v1(29.52,12.14) v1(29.6,52.94) v1(29.85,89.22) v1(29.85,88.22) v1(29.85,87.22) v1(29.85,86.22) v1(30.1,104.1) v1(30.22,72.63) v1(30.22,69.79) v1(30.85,89.22) v1(30.85,88.22) v1(30.85,87.22) v1(30.85,86.22) v1(31.12,59.23) v1(31.1,12.26) v1(31.19,70.82) v1(31.22,53.06) v1(31.16,31.57) v1(31.4,44.61) v1(31.6,54.6) v1(31.8,107.9) v1(32.2,106.1) v1(32.37,79.37) v1(32.5,101.6) v1(33.3,104.1) v1(33.3,40.9) v1(33.3,21.1) v1(33.6,61.9) v1(33.7,54.6) v1(33.95,96.82) v1(34,59.75) v1(34.24,98.71) v1(34.51,56.13) v1(34.6,50.7) v1(34.7,61) v1(34.8,109.4) v1(35,104) v1(35.3,47.4) v1(35.4,36.3) v1(35.46,29.44) v1(35.72,107.2) v1(35.67,40.11) v1(35.67,12.16) v1(37.3,46) v1(37.25,40.05) v1(37.3,29.35) v1(37.33,12.14) v1(37.4,93.7) v1(38.5,105) v1(38.87,12.21) v1(39.09,29.47) v1(39.24,81.31) v1(39.5,46) v1(39.6,66.84) v1(39.8,56.97) v1(40.12,61.31) v1(40.3,101.4) v1(40.25,34) v1(40.84,2.09) v1(41,109.4) v1(41,59.5) v1(41,37.5) v1(40.98,4.2) v1(41.31,73.16) v1(41.7,103.8) v1(41.66,98.11) v1(42,51) v1(42.16,94.24) v1(42.18,87.8) v1(42.18,86.8) v1(42.18,85.8) v1(42.5,20) v1(43.18,88.8) v1(43.18,87.8) v1(43.18,86.8) v1(43.18,85.8) v1(43.75,27.75) v1(44.18,88.8) v1(44.18,87.8) v1(44.18,86.8) v1(44.18,85.8) v1(44.23,77.41) v1(44.34,66.55) v1(44.44,81.24) v1(45.18,88.8) v1(45.18,87.8) v1(45.18,86.8) v1(45.18,85.8) v1(45.38,67.45) v1(45.58,99.6) v1(45.77,44.81) v1(46.5,30.5) v1(46.5,27.75) v1(46.64,107.22) v1(46.75,51) v1(47,55.25) v1(47.25,57) v1(47.5,12.5) v1(48.5,37.5) v1(48.5,22.75) v1(49.5,109.4) v1(50,16.5) v1(50.75,53) v1(51.25,59.25) v1(51.75,22.5) v1(52.25,25) v1(52.75,11) v1(53.13,64.45) v1(53.85,67.09) v1(54.5,5) v1(54.5,2) v1(54.75,59.25) v1(55.35,109.4) v1(55.25,16.25) v1(57,55.25) v1(57.01,25.56) v1(57,17.25) v1(57.16,45.03) v1(57.55,48.59) v1(58.17,96.6) v1(58.5,57) v1(58.5,11.5) v1(59,110.2) v1(59.88,25.06) v1(60,35.5) v1(60.75,65) v1(60.79,49.5) v1(61.01,15.17) v1(61.47,97.75) v1(61.52,93.01) v1(61.59,100.44) v1(61.63,86.67) v1(62.73,104.28) v1(63.25,11) v1(64.04,56.04) v1(64.69,44.81) v1(64.98,93.9) v1(64.97,86.79) v1(65.25,72.5) v1(65.4,110.2) v1(65.44,4.13) v1(65.38,1.95) v1(65.53,97.88) v1(66.64,19.08) v1(66.75,59.25) v1(67,87) v1(68.43,17.8) v1(68.5,93.5) v1(69.51,98) v1(69.58,32.92) v1(69.88,56.18) v1(70.1,70.73) v1(70.6,110.3) v1(71,90.75) v1(71.05,17.96) v1(71.62,88.98) v1(71.92,72.41) v1(72.41,76.13) v1(72.45,32.92) v1(72.46,56.45) v1(72.5,44.5) v1(72.75,22.25) v1(73,87.25) v1(73.2,101.15) v1(73.25,95.81) v1(73.41,18.13) v1(75.24,69.93) v1(75.25,89.66) v1(75.25,81.75) v1(76.5,110.3) v1(76.58,100.23) v1(76.89,25.9) v1(76.99,15.96) v1(77.97,45.55) v1(78.5,71.37) v1(78.55,88.31) v1(78.63,56.54) v1(78.69,96.13) v1(78.72,33.17) v1(78.65,18.71) v1(78.87,76.18) v1(79,28.5) v1(81,29.43) v1(81.35,18.88) v1(81.4,98.55) v1(81.53,89.43) v1(81.5,42) v1(82,80.75) v1(82.47,97.51) v1(82.5,57.5) v1(82.5,2.5) v1(82.6,110.3) v1(84.5,73.5) v1(85.25,100) v1(85.25,93.5) v1(86,24.5) v1(86.5,61.5) v1(86.91,79.84) v1(87,86.5) v1(87.24,39.28) v1(87.36,58.38) v1(87.5,50.5) v1(88.25,83) v1(89.2,101.8) v1(89.56,58.55) v1(89.7,80.33) v1(90.5,10) v1(90.69,39.2) v1(93.5,110.1) v1(94.5,2.5) v1(95.6,105.3) v1(99,45.5) v1(100,80.5) v1(100,69) v1(100,58) v1(100,26) v1(100.1,99.1) v1(108.9,38.3) v1(109.1,98.8) v1(109.5,84.5) v1(109.5,74.5) v1(109.5,63.5) v1(109.5,51.5)
